# Altium PCB DM1095_R0M0E1.PcbDoc (part 3 of 3)
Units mm, origin at the board's own origin, x right, y up, seen from the top; angles counter-clockwise.
Board outline 80 x 30 mm, 4 copper layers (Top Copper, Signal Layer 1, Layer 1, Bottom Layer), stack 1.602 mm thick; 162 components, 129 nets, 587 pads, 621 vias.
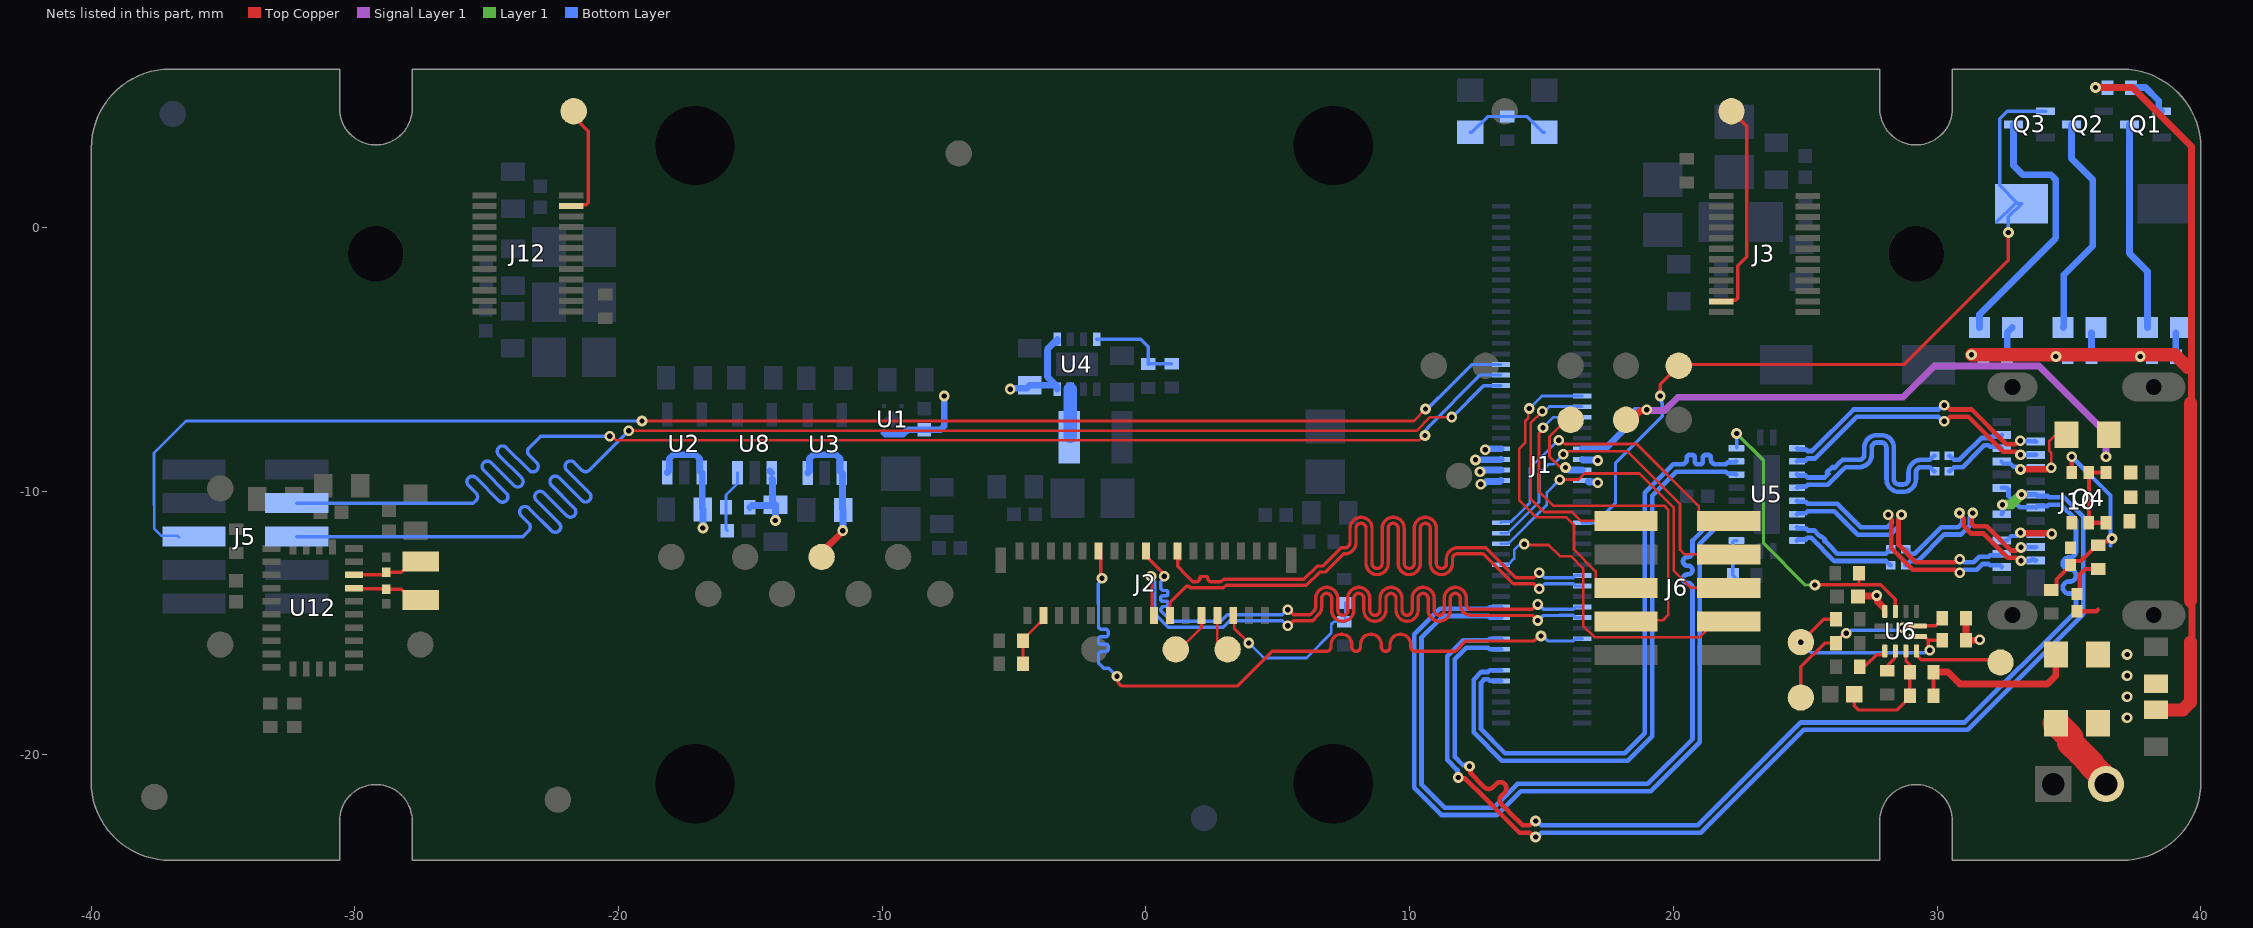
[diagram p5: the nets of this part, all layers, seen from the top]

## Via types
v1: diameter 0.406, hole 0.203, Top Copper to Bottom Layer, tented both sides, 577 vias
v2: diameter 0.406, hole 0.203, Top Copper to Bottom Layer, 28 vias
v3: diameter 0.508, hole 0.254, Top Copper to Bottom Layer, 16 vias

## Nets (pads, with @x,y where several pads share a name; then routed paths per layer and width w, separated by ;. In a path a pad name is that pad's centre, name@x,y a point inside that pad or via, vN(x,y) a via of type N, cw(c..) or ccw(c..) an arc to the next point about the centre after c; other vN are vias at no path point) (continued)
MIPI_RX4_D1_P: J1.17 J2.23 | length 27.7
  Top Copper w0.127: J2.23@-1.8,-12.206 -1.721,-12.285 -1.721,-13.254 v1(-1.667,-13.307) ; v1(-1.102,-17.026) -1.049,-17.079 -1.049,-17.275 -0.929,-17.395 3.459,-17.395 4.778,-16.075 6.673,-16.075 6.851,-16.075 ccw(c6.851,-15.91) 7.016,-15.91 7.016,-15.821 cw(c7.41,-15.821) 7.804,-15.821 7.804,-15.914 ccw(c7.969,-15.914) 8.134,-15.914 8.134,-15.821 cw(c8.527,-15.821) 8.921,-15.821 8.921,-15.914 ccw(c9.086,-15.914) 9.251,-15.914 9.251,-15.821 cw(c9.645,-15.821) 10.039,-15.821 10.039,-15.91 ccw(c10.204,-15.91) 10.204,-16.075 11.734,-16.075 11.775,-16.034 12.123,-15.686 14.712,-15.686 14.902,-15.496 v1(14.977,-15.496)
  Bottom Layer w0.127: v1(-1.667,-13.307) -1.667,-13.382 -1.806,-13.521 -1.806,-14.273 -1.803,-14.276 -1.803,-14.643 -1.803,-15.117 ccw(c-1.676,-15.117) -1.676,-15.244 -1.521,-15.244 cw(c-1.521,-15.328) -1.437,-15.328 -1.437,-15.44 cw(c-1.521,-15.44) -1.521,-15.524 -1.719,-15.524 ccw(c-1.719,-15.608) -1.803,-15.608 -1.803,-15.719 ccw(c-1.719,-15.719) -1.719,-15.803 -1.521,-15.803 cw(c-1.521,-15.887) -1.437,-15.887 -1.437,-15.999 cw(c-1.521,-15.999) -1.521,-16.083 -1.676,-16.083 ccw(c-1.676,-16.21) -1.803,-16.21 -1.803,-16.521 -1.771,-16.552 -1.603,-16.721 -1.406,-16.721 v1(-1.102,-17.026) ; v1(14.977,-15.496) 15.052,-15.496 15.242,-15.686 16.194,-15.686 16.28,-15.6 J1.17@16.54,-15.6
MIPI_RX5_D0_N: J1.21 J2.16 | length 27.5
  Top Copper w0.127: v1(0.188,-13.228) 0.241,-13.282 0.241,-14.522 J2.16@0.314,-14.594 ; v1(5.379,-15.107) 5.403,-15.107 5.593,-14.918 6.063,-14.918 6.318,-14.918 6.537,-14.699 ccw(c6.241,-14.402) 6.66,-14.402 6.66,-14.072 cw(c6.85,-14.072) 7.041,-14.072 7.041,-14.52 ccw(c7.46,-14.52) 7.879,-14.52 7.879,-14.072 cw(c8.07,-14.072) 8.26,-14.072 8.26,-14.52 ccw(c8.679,-14.52) 9.098,-14.52 9.098,-14.072 cw(c9.289,-14.072) 9.479,-14.072 9.479,-14.52 ccw(c9.898,-14.52) 10.318,-14.52 10.318,-14.072 cw(c10.508,-14.072) 10.699,-14.072 10.699,-14.52 ccw(c11.118,-14.52) 11.537,-14.52 11.537,-14.072 cw(c11.727,-14.072) 11.918,-14.072 11.918,-14.298 ccw(c12.337,-14.298) 12.337,-14.718 13.169,-14.718 14.644,-14.718 14.833,-14.907 v1(14.858,-14.907)
  Bottom Layer w0.127: v1(0.188,-13.228) 0.188,-13.303 0.327,-13.442 0.327,-14.641 0.525,-14.84 0.85,-15.164 2.936,-15.164 3.182,-14.918 5.165,-14.918 5.354,-15.107 v1(5.379,-15.107) ; v1(14.858,-14.907) 14.882,-14.907 15.072,-14.718 15.678,-14.718 15.681,-14.714 16.194,-14.714 16.28,-14.8 J1.21@16.54,-14.8
MIPI_RX5_D0_P: J1.23 J2.17 | length 27.4
  Top Copper w0.127: J2.17@0.068,-12.524 0.641,-13.097 0.641,-13.175 v1(0.694,-13.228) ; v1(5.379,-14.499) 5.403,-14.499 5.593,-14.689 6.063,-14.689 6.223,-14.689 6.375,-14.538 ccw(c6.241,-14.402) 6.431,-14.402 6.431,-14.072 cw(c6.85,-14.072) 7.27,-14.072 7.27,-14.52 ccw(c7.46,-14.52) 7.651,-14.52 7.651,-14.072 cw(c8.07,-14.072) 8.489,-14.072 8.489,-14.52 ccw(c8.679,-14.52) 8.87,-14.52 8.87,-14.072 cw(c9.289,-14.072) 9.708,-14.072 9.708,-14.52 ccw(c9.898,-14.52) 10.089,-14.52 10.089,-14.072 cw(c10.508,-14.072) 10.927,-14.072 10.927,-14.52 ccw(c11.118,-14.52) 11.308,-14.52 11.308,-14.072 cw(c11.727,-14.072) 12.146,-14.072 12.146,-14.298 ccw(c12.337,-14.298) 12.337,-14.489 13.169,-14.489 14.644,-14.489 14.833,-14.299 v1(14.858,-14.299)
  Bottom Layer w0.127: v1(0.694,-13.228) 0.694,-13.303 0.669,-13.328 0.555,-13.442 0.555,-13.644 ccw(c0.682,-13.644) 0.682,-13.771 0.767,-13.771 cw(c0.767,-13.832) 0.828,-13.832 0.828,-13.913 cw(c0.767,-13.913) 0.767,-13.974 0.616,-13.974 ccw(c0.616,-14.035) 0.555,-14.035 0.555,-14.117 ccw(c0.616,-14.117) 0.616,-14.178 0.767,-14.178 cw(c0.767,-14.239) 0.828,-14.239 0.828,-14.32 cw(c0.767,-14.32) 0.767,-14.381 0.682,-14.381 ccw(c0.682,-14.508) 0.555,-14.508 0.555,-14.546 0.687,-14.678 0.944,-14.936 2.841,-14.936 3.087,-14.689 5.165,-14.689 5.354,-14.499 v1(5.379,-14.499) ; v1(14.858,-14.299) 14.882,-14.299 15.072,-14.489 15.583,-14.489 15.586,-14.486 16.194,-14.486 16.28,-14.4 J1.23@16.54,-14.4
MIPI_RX5_D1_N: J1.27 J2.14 | length 27.4
  Top Copper w0.127: J2.14@0.907,-14.725 0.907,-14.236 1.527,-13.616 1.633,-13.616 1.682,-13.666 2.937,-13.666 3.035,-13.568 6.084,-13.568 6.579,-13.073 6.803,-13.073 7.031,-12.844 7.496,-12.379 7.543,-12.379 ccw(c7.543,-11.96) 7.962,-11.96 7.962,-11.413 cw(c8.152,-11.413) 8.343,-11.413 8.343,-12.746 ccw(c8.762,-12.746) 9.181,-12.746 9.181,-11.413 cw(c9.372,-11.413) 9.562,-11.413 9.562,-12.746 ccw(c9.981,-12.746) 10.4,-12.746 10.4,-11.413 cw(c10.591,-11.413) 10.781,-11.413 10.781,-12.746 ccw(c11.2,-12.746) 11.62,-12.746 11.62,-12.57 cw(c11.81,-12.57) 11.81,-12.379 11.988,-12.379 12.796,-12.379 13.934,-13.517 14.7,-13.517 14.889,-13.707 v1(14.914,-13.707)
  Bottom Layer w0.127: v1(14.914,-13.707) 14.938,-13.707 15.128,-13.517 15.563,-13.517 15.565,-13.514 16.194,-13.514 16.28,-13.6 J1.27@16.54,-13.6
MIPI_RX5_D1_P: J1.29 J2.13 | length 27.5
  Top Copper w0.127: J2.13@1.218,-12.402 1.2,-12.42 1.2,-12.86 1.531,-13.192 1.777,-13.438 1.912,-13.438 ccw(c1.912,-13.311) 2.039,-13.311 2.039,-13.304 cw(c2.1,-13.304) 2.1,-13.243 2.283,-13.243 cw(c2.283,-13.304) 2.344,-13.304 2.344,-13.311 ccw(c2.471,-13.311) 2.471,-13.438 2.839,-13.438 2.842,-13.438 2.94,-13.339 5.99,-13.339 6.485,-12.844 6.708,-12.844 6.803,-12.75 6.87,-12.683 7.031,-12.521 7.401,-12.151 7.543,-12.151 ccw(c7.543,-11.96) 7.733,-11.96 7.733,-11.413 cw(c8.152,-11.413) 8.572,-11.413 8.572,-12.746 ccw(c8.762,-12.746) 8.953,-12.746 8.953,-11.413 cw(c9.372,-11.413) 9.791,-11.413 9.791,-12.746 ccw(c9.981,-12.746) 10.172,-12.746 10.172,-11.413 cw(c10.591,-11.413) 11.01,-11.413 11.01,-12.746 ccw(c11.2,-12.746) 11.391,-12.746 11.391,-12.57 cw(c11.81,-12.57) 11.81,-12.151 11.988,-12.151 12.891,-12.151 14.028,-13.289 14.7,-13.289 14.889,-13.099 v1(14.914,-13.099) ; J2.13@1.286,-12.594 J2.13@1.286,-12.402
  Bottom Layer w0.127: v1(14.914,-13.099) 14.938,-13.099 15.128,-13.289 15.468,-13.289 15.471,-13.286 16.194,-13.286 16.28,-13.2 J1.29@16.54,-13.2
MODULE_nRST: B1.2 J1.39 Q3.1 TP2.1 | length 31
  Top Copper w0.127: v1(19.502,-6.398) 19.502,-5.948 20.026,-5.424 20.4,-5.424 20.4,-5.2 28.747,-5.2 32.7,-1.247 v1(32.7,-0.2)
  Bottom Layer w0.127: J1.39@16.54,-11.2 17.07,-11.2 17.8,-10.47 17.8,-8.942 19.578,-7.164 19.578,-6.672 19.555,-6.649 19.555,-6.452 v1(19.502,-6.398) ; B1.2@32.263,0.213 32.95,0.9 B1.2@33.02,0.9 ; v1(32.7,-0.2) 32.7,0.4 B1.2@33.2,0.9 33.058,0.9 32.372,1.587 32.372,4.118 32.654,4.4 Q3.1@34.11,4.4
NetC37_1: C37.1 Q4.3 R3.1 R10.2 | length 7.8
  Top Copper w0.158: R10.2@34.397,-13.724 34.518,-13.603 34.518,-13.362 35.05,-12.83 35.05,-12.79 35.181,-12.659 35.441,-12.659 35.592,-12.508 35.605,-12.508 35.97,-12.142 36.07,-12.142 36.305,-11.908 36.456,-11.908 36.562,-11.802 v1(36.629,-11.802) ; Q4.3@35.1,-9.3 v1(35.1,-8.7)
  Bottom Layer w0.158: v1(35.1,-8.7) 36.576,-10.176 36.576,-12.07
NetC41_1: C41.1 R3.2 | length 1.7
  Top Copper w0.154: C41.1@35.3,-13.9 35.404,-13.796 35.404,-13.166 35.617,-12.954 35.834,-12.954 36.088,-12.954 R3.2@36.212,-12.83
NetC49_2: C49.2 R37.1 U8.3 | length 2.4
  Bottom Layer w0.102: C49.2@-15.874,-11.505 -15.924,-11.455 R37.1@-15.924,-10.624 -15.924,-10.153 -15.489,-9.718 U8.3@-15.489,-9.31
NetD2_1: D2.1 Q1.3 | length 8
  Bottom Layer w0.254: Q1.3@37.29,3.9 37.29,-0.99 37.975,-1.675 D2.1@37.975,-3.8
NetD2_2: D2.2 R32.1 | length 0.9
  Bottom Layer w0.254: R32.1@39.05,-4.9 D2.2@39.05,-4
NetD3_1: D3.1 Q2.3 | length 8.5
  Bottom Layer w0.254: D3.1@34.775,-3.8 34.8,-3.775 34.8,-1.8 35.9,-0.7 35.9,1.8 35.09,2.61 Q2.3@35.09,3.9
NetD3_2: D3.2 R33.1 | length 0.9
  Bottom Layer w0.254: R33.1@35.85,-4.9 D3.2@35.85,-4
NetD4_1: D4.1 Q3.3 | length 10.2
  Bottom Layer w0.254: D4.1@31.6,-3.8 31.6,-3.3 34.5,-0.4 34.5,1.8 34.305,1.995 33.241,1.995 32.89,2.346 Q3.3@32.89,3.9
NetD4_2: D4.2 R34.1 | length 1.2
  Bottom Layer w0.254: R34.1@32.65,-4.9 32.65,-4 D4.2@32.85,-3.8
NetJ2_6: J2.6 R27.1 R28.1 | length 6.6
  Top Copper w0.105: J2.6@3.256,-14.708 3.345,-14.797 3.345,-15.207 v1(3.898,-15.761)
  Bottom Layer w0.102: v1(3.898,-15.761) 4.469,-16.331 6.084,-16.331 7.024,-15.391 7.024,-15.051 7.113,-14.962 R28.1@7.557,-14.962 ; R28.1@7.56,-14.872 R27.1@7.56,-14.24
NetJ2_30: J2.30 R22.2 R29.1 | length 2.2
  Top Copper w0.102: R29.1@-4.665,-16.551 R22.2@-4.665,-15.676 -4.665,-15.626 -4.044,-15.005 -3.992,-15.005 -3.874,-14.888 J2.30@-3.874,-14.726
NetJ8_P2: J8.P2 R23.1 | length 3.1
  Top Copper w1: R23.1@34.5,-18.8 35.05,-19.35 35.05,-19.549 35.401,-19.9 35.404,-19.9 35.833,-20.33 35.833,-20.381 36.216,-20.764 36.216,-20.829 36.4,-21.013 J8.P2@36.4,-21.113
NetL1_1: L1.1 U4.7 | length 1.8
  Bottom Layer w0.5: L1.1@-2.87,-7.924 U4.7@-2.87,-6.142
NetQ1_1: Q1.1 R31.1 | length 1.8
  Bottom Layer w0.254: R31.1@37.35,5.3 37.9,5.3 38.4,4.8 38.4,4.423 38.423,4.4 Q1.1@38.51,4.4
NetR4_2: R4.2 R24.1 R26.1 | length 3.3
  Bottom Layer w0.127: R26.1@12.3,3.6 12.35,3.6 12.95,4.2 13.2,4.2 R4.2@13.7,4.2 14.45,4.2 15.05,3.6 R24.1@15.1,3.6
NetR7_1: R7.1 R8.2 U4.4 | length 3.6
  Bottom Layer w0.127: U4.4@-1.87,-4.242 -0.196,-4.242 0.092,-4.53 R7.1@0.092,-5.187 0.106,-5.173 R8.2@0.967,-5.173
NetR12_1: R12.1 U5.2 | length 1.7
  Bottom Layer w0.127: R12.1@22.4,-13.35 R12.1@22.25,-13.2 22.25,-11.937 22.312,-11.875 U5.2@22.385,-11.875 U5.2@22.4,-11.891
NetR13_1: R13.1 U5.9 U6.11 | length 11.9
  Top Copper w0.127: v1(25.362,-13.564) 25.377,-13.549 27.034,-13.549 ; R13.1@27.034,-13.111 27.034,-13.549 ; U6.11@28.415,-14.565 28.415,-14.1 27.864,-13.549 27.034,-13.549
  Layer 1 w0.127: v1(22.393,-7.82) 23.415,-8.842 23.415,-11.985 24.993,-13.564 v1(25.362,-13.564)
  Bottom Layer w0.127: v1(22.393,-7.82) 22.393,-8.344 U5.9@22.404,-8.355
OUT1: R18.1 R20.1 TP23.1 U6.7 | length 8.2
  Top Copper w0.127: v1(24.829,-15.729) 25.694,-14.865 R18.1@26.165,-14.865 ; U6.7@29.265,-15.515 29.515,-15.515 29.654,-15.654 ; v1(29.716,-16.033) 29.663,-15.98 29.663,-15.663 29.654,-15.654 ; R20.1@30.189,-15.654 29.716,-15.654 29.7,-15.654 29.654,-15.654
  Bottom Layer w0.127: v1(24.829,-15.729) 25.231,-16.131 29.542,-16.131 29.641,-16.033 v1(29.716,-16.033)
OUT2: R19.1 R21.1 TP22.1 U6.8 | length 7.3
  Top Copper w0.127: TP22.1@24.829,-17.829 24.829,-16.668 25.732,-15.765 R19.1@26.165,-15.765 26.165,-15.715 26.483,-15.396 v1(26.551,-15.396) ; v1(28.698,-15.182) 28.732,-15.148 29.231,-15.148 U6.8@29.265,-15.115 29.94,-15.115 30.189,-14.865 R21.1@30.189,-14.815
  Bottom Layer w0.127: v1(26.551,-15.396) 26.627,-15.396 26.74,-15.284 28.521,-15.284 28.622,-15.182 v1(28.698,-15.182)
RXB_N: J10.B10 U5.13 | length 10.5
  Top Copper w0.178: v1(30.267,-7.353) 30.323,-7.353 30.488,-7.188 31.187,-7.188 32.508,-8.509 32.977,-8.509 33.096,-8.629 v1(33.158,-8.629)
  Bottom Layer w0.178: U5.13@24.685,-8.875 24.721,-8.839 25.008,-8.839 25.082,-8.765 25.367,-8.765 26.944,-7.188 30.046,-7.188 30.21,-7.353 v1(30.267,-7.353) ; v1(33.158,-8.629) J10.B10@33.742,-8.629
RXB_P: J10.B11 U5.12 | length 10.5
  Top Copper w0.178: v1(30.267,-6.745) 30.323,-6.745 30.488,-6.909 31.303,-6.909 32.624,-8.23 32.957,-8.23 33.088,-8.099 v1(33.15,-8.099)
  Bottom Layer w0.178: U5.12@24.685,-8.375 24.721,-8.411 25.008,-8.411 25.082,-8.486 25.252,-8.486 26.828,-6.909 30.046,-6.909 30.21,-6.745 v1(30.267,-6.745) ; v1(33.15,-8.099) 33.166,-8.114 33.727,-8.114 J10.B11@33.742,-8.129
RXC_N: J10.A10 U5.17 | length 10.5
  Top Copper w0.178: v1(28.648,-10.904) 28.648,-10.966 28.535,-11.08 28.535,-12.044 29.192,-12.701 30.677,-12.701 30.79,-12.588 v1(30.852,-12.588)
  Bottom Layer w0.178: U5.17@24.685,-10.875 24.721,-10.839 25.008,-10.839 25.082,-10.765 26.095,-10.765 26.983,-11.653 28.224,-11.653 28.535,-11.343 28.535,-11.08 28.648,-10.966 v1(28.648,-10.904) ; v1(30.852,-12.588) 30.914,-12.588 31.027,-12.701 31.378,-12.701 31.59,-12.489 31.955,-12.489 32.004,-12.44 32.381,-12.44 J10.A10@32.442,-12.379
RXC_P: J10.A11 U5.16 | length 10.5
  Top Copper w0.178: v1(28.142,-10.904) 28.142,-10.966 28.255,-11.08 28.255,-12.16 29.076,-12.98 30.677,-12.98 30.79,-13.094 v1(30.852,-13.094)
  Bottom Layer w0.178: U5.16@24.685,-10.375 24.721,-10.411 25.008,-10.411 25.082,-10.486 26.211,-10.486 27.099,-11.374 28.109,-11.374 28.255,-11.227 28.255,-11.08 28.142,-10.966 v1(28.142,-10.904) ; v1(30.852,-13.094) 30.914,-13.094 31.027,-12.98 31.494,-12.98 31.706,-12.769 31.955,-12.769 32.004,-12.818 32.381,-12.818 J10.A11@32.442,-12.879
SD_HST0_CD: J1.59 J6.7 | length 15
  Top Copper w0.102: v1(15.054,-7.599) 15.054,-7.657 14.9,-7.811 14.9,-10.015 15.439,-10.554 19.65,-10.554 19.8,-10.704 19.8,-14.7 19.6,-14.9 18.24,-14.9 J6.7@18.2,-14.94
  Bottom Layer w0.102: v1(15.054,-7.599) 15.453,-7.2 J1.59@16.54,-7.2
SD_HST0_CLK: J1.61 J6.1 | length 9.1
  Top Copper w0.102: v1(15.029,-6.98) 15.026,-6.98 14.585,-7.421 14.585,-10.293 15.088,-10.796 16.158,-10.796 16.492,-11.13 J6.1@18.2,-11.13
  Bottom Layer w0.102: v1(15.029,-6.98) 15.108,-6.98 15.295,-6.794 16.534,-6.794 J1.61@16.54,-6.8
SD_HST0_CMD: J1.63 J6.5 | length 12
  Top Copper w0.102: v1(14.535,-6.872) 14.493,-6.913 14.493,-7.227 14.383,-7.338 14.383,-8.167 14.155,-8.395 14.155,-10.355 14.8,-11 15.94,-11 16.228,-11.288 16.228,-12.222 17.051,-13.044 17.051,-13.341 17.38,-13.67 J6.5@18.2,-13.67
  Bottom Layer w0.102: v1(14.535,-6.872) 15.007,-6.4 J1.63@16.54,-6.4
SD_HST0_D0: J1.40 J6.2 | length 12.1
  Top Copper w0.102: v1(15.654,-8.077) 15.736,-8.077 15.876,-8.217 18.608,-8.217 20.954,-10.563 20.954,-10.801 21.283,-11.13 J6.2@22.1,-11.13
  Bottom Layer w0.102: J1.40@13.46,-11.2 13.499,-11.161 13.849,-11.161 14.223,-10.787 14.547,-10.463 14.547,-9.153 15.623,-8.077 v1(15.654,-8.077)
SD_HST0_D1: J1.38 J6.4 | length 13.2
  Top Copper w0.102: v1(15.816,-8.608) 15.899,-8.608 16.017,-8.49 16.987,-8.49 18.238,-8.49 20.246,-10.497 20.246,-10.856 20.247,-10.857 20.247,-12.225 20.422,-12.4 J6.4@22.1,-12.4
  Bottom Layer w0.102: J1.38@13.46,-11.6 13.72,-11.6 14.9,-10.42 14.902,-10.418 14.902,-9.341 15.256,-8.987 15.453,-8.987 15.816,-8.624 v1(15.816,-8.608)
SD_HST0_D2: J1.36 J6.6 | length 13.2
  Top Copper w0.102: v1(15.684,-9.567) 15.687,-9.564 16.402,-9.564 16.633,-9.333 18.713,-9.333 20.005,-10.625 20.005,-13.005 20.67,-13.67 J6.6@22.1,-13.67
  Bottom Layer w0.102: J1.36@13.46,-12 13.72,-12 15.2,-10.52 15.2,-10.057 15.684,-9.573 v1(15.684,-9.567)
SD_HST0_D3: J1.32 J6.8 | length 12.2
  Top Copper w0.102: v1(14.343,-12.012) 14.374,-12.043 15.267,-12.043 15.692,-12.469 16.113,-12.469 16.576,-12.932 16.576,-15.109 17.007,-15.54 20.998,-15.54 21.218,-15.32 21.218,-15.269 21.547,-14.94 J6.8@22.1,-14.94
  Bottom Layer w0.102: J1.32@13.46,-12.8 13.72,-12.8 13.961,-12.559 13.961,-12.239 v1@14.3,-11.9
SPI_CS_0: J1.70 J5.5 | length 56.4
  Top Copper w0.102: v1(-19.109,-7.344) 10.154,-7.344 10.6,-6.898 v1(10.6,-6.889)
  Bottom Layer w0.102: -37.611,-10.531 -37.611,-8.561 -36.394,-7.344 v1(-19.109,-7.344) ; -37.605,-10.531 -37.605,-11.418 -37.325,-11.698 -36.718,-11.698 J5.5@-36.657,-11.758
  Bottom Layer w0.127: v1(10.6,-6.889) 10.674,-6.889 11.582,-5.981 12.362,-5.2 J1.70@13.46,-5.2
SPI_SIO2: J1.66 J5.6 | length 58
  Top Copper w0.102: v1(-19.615,-7.717) 10.252,-7.717 10.769,-7.2 11.593,-7.2 v1(11.597,-7.196)
  Bottom Layer w0.127: J5.6@-32.2,-11.73 -23.628,-11.73 -23.448,-11.551 -23.404,-11.506 ccw(c-23.547,-11.362) -23.404,-11.219 -23.691,-10.931 cw(c-23.547,-10.788) -23.691,-10.644 cw(c-23.547,-10.788) -23.404,-10.644 -22.541,-11.506 ccw(c-22.398,-11.362) -22.254,-11.506 ccw(c-22.398,-11.362) -22.254,-11.219 -23.116,-10.356 cw(c-22.973,-10.213) -23.116,-10.069 cw(c-22.973,-10.213) -22.829,-10.069 -21.967,-10.931 ccw(c-21.823,-10.788) -21.679,-10.931 ccw(c-21.823,-10.788) -21.679,-10.644 -22.541,-9.782 cw(c-22.398,-9.638) -22.541,-9.494 cw(c-22.398,-9.638) -22.254,-9.494 -21.392,-10.356 ccw(c-21.248,-10.213) -21.105,-10.356 ccw(c-21.248,-10.213) -21.105,-10.069 -21.967,-9.207 cw(c-21.823,-9.063) -21.967,-8.92 cw(c-21.823,-9.063) -21.679,-8.92 -21.392,-9.207 ccw(c-21.248,-9.063) -21.105,-9.207 -20.825,-8.928 v1(-19.615,-7.717) ; v1(11.597,-7.196) 11.604,-7.196 12.797,-6.003 13.457,-6.003 J1.66@13.46,-6
SPI_SIO3: J1.68 J5.8 | length 56.4
  Top Copper w0.102: v1(-20.336,-7.92) -20.254,-7.92 -20.102,-8.072 10.364,-8.072 10.542,-7.894 v1(10.576,-7.894)
  Bottom Layer w0.127: J5.8@-32.2,-10.46 -25.5,-10.46 -25.447,-10.408 -25.402,-10.363 ccw(c-25.546,-10.219) -25.402,-10.076 -25.69,-9.788 cw(c-25.546,-9.645) -25.69,-9.501 cw(c-25.546,-9.645) -25.402,-9.501 -24.54,-10.363 ccw(c-24.397,-10.219) -24.253,-10.363 ccw(c-24.397,-10.219) -24.253,-10.076 -25.115,-9.213 cw(c-24.971,-9.07) -25.115,-8.926 cw(c-24.971,-9.07) -24.828,-8.926 -23.966,-9.788 ccw(c-23.822,-9.645) -23.678,-9.788 ccw(c-23.822,-9.645) -23.678,-9.501 -24.54,-8.639 cw(c-24.397,-8.495) -24.54,-8.351 cw(c-24.397,-8.495) -24.253,-8.351 -23.391,-9.213 ccw(c-23.247,-9.07) -23.104,-9.213 ccw(c-23.247,-9.07) -23.104,-8.926 -23.391,-8.639 cw(c-23.247,-8.495) -23.391,-8.351 -22.974,-7.935 -22.959,-7.92 v1(-20.336,-7.92) ; v1(10.576,-7.894) 10.576,-7.724 10.677,-7.624 10.677,-7.598 12.674,-5.6 J1.68@13.46,-5.6
STRB2: J12.14 TP18.1 | length 4.3
  Top Copper w0.127: J12.14@-21.797,0.813 -21.758,0.852 -21.224,0.852 -21.149,0.926 -21.149,3.64 -21.7,4.191 TP18.1@-21.7,4.3
STROBE1: J3.14 TP30.1 | length 8.1
  Top Copper w0.127: J3.14@21.81,-2.813 21.851,-2.771 22.359,-2.771 22.433,-2.697 22.433,-1.467 22.774,-1.126 22.774,3.826 TP30.1@22.2,4.4
STROBE3: J2.10 TP27.1 | length 1.9
  Top Copper w0.102: TP27.1@1.052,-16.237 2.107,-15.182 J2.10@2.107,-14.731
TXB1_N: C32.2 U5.15 | length 8.5
  Bottom Layer w0.178: U5.15@24.685,-9.875 24.721,-9.839 25.008,-9.839 25.082,-9.765 25.853,-9.765 26.44,-9.178 26.524,-9.094 27.041,-9.094 ccw(c27.041,-8.619) 27.516,-8.619 27.516,-8.356 cw(c27.712,-8.356) 27.712,-8.16 27.879,-8.16 cw(c27.879,-8.356) 28.075,-8.356 28.075,-9.554 ccw(c28.55,-9.554) 28.55,-10.029 28.717,-10.029 ccw(c28.717,-9.554) 29.192,-9.554 29.192,-9.29 cw(c29.388,-9.29) 29.388,-9.094 29.617,-9.094 29.719,-9.094 29.878,-9.253 C32.2@29.898,-9.253
TXB1_P: C31.2 U5.14 | length 8.6
  Bottom Layer w0.178: U5.14@24.685,-9.375 24.721,-9.411 25.008,-9.411 25.082,-9.486 25.737,-9.486 25.813,-9.41 25.876,-9.347 25.819,-9.29 26.035,-9.075 26.091,-9.131 26.307,-8.916 26.328,-8.894 26.391,-8.832 ; 26.408,-8.815 26.44,-8.815 27.041,-8.815 ccw(c27.041,-8.619) 27.237,-8.619 27.237,-8.356 cw(c27.712,-8.356) 27.712,-7.881 27.879,-7.881 cw(c27.879,-8.356) 28.354,-8.356 28.354,-9.554 ccw(c28.55,-9.554) 28.55,-9.749 28.717,-9.749 ccw(c28.717,-9.554) 28.913,-9.554 28.913,-9.29 cw(c29.388,-9.29) 29.388,-8.815 29.617,-8.815 29.719,-8.815 29.878,-8.657 C31.2@29.898,-8.657
TXB_N: C32.1 J10.A3 | length 3
  Bottom Layer w0.178: C32.1@30.458,-9.253 C32.1@30.476,-9.253 ; J10.A3@32.442,-8.379 32.381,-8.318 32.004,-8.318 31.955,-8.269 31.785,-8.269 31.543,-8.511 30.962,-9.093 ; C32.1@30.476,-9.253 30.636,-9.093 30.962,-9.093 ; C32.1@30.476,-9.253 30.478,-9.253 30.636,-9.094 30.96,-9.094 30.962,-9.093
TXB_P: C31.1 J10.A2 | length 2.4
  Bottom Layer w0.178: C31.1@30.458,-8.657 30.478,-8.657 30.636,-8.815 30.844,-8.815 30.862,-8.798 31.013,-8.647 31.591,-8.068 31.67,-7.989 31.955,-7.989 32.004,-7.94 32.381,-7.94 J10.A2@32.442,-7.879
TXC1_N: C34.2 U5.19 | length 4
  Bottom Layer w0.178: U5.19@24.685,-11.875 24.721,-11.839 25.008,-11.839 25.073,-11.774 25.22,-11.774 26.1,-12.654 28.056,-12.654 28.219,-12.817 C34.2@28.239,-12.817
TXC1_P: C33.2 U5.18 | length 4.1
  Bottom Layer w0.178: U5.18@24.685,-11.375 24.721,-11.411 25.008,-11.411 25.092,-11.495 25.336,-11.495 25.514,-11.673 25.577,-11.736 25.603,-11.71 25.747,-11.854 25.721,-11.88 25.841,-12 25.904,-12.063 26.216,-12.375 28.056,-12.375 28.219,-12.212 C33.2@28.239,-12.212
TXC_N: C34.1 J10.B3 | length 6.9
  Top Copper w0.178: v1(31.352,-10.831) 31.308,-10.874 31.308,-11.235 31.407,-11.334 31.874,-11.334 32.312,-11.772 32.399,-11.86 32.791,-12.252 33,-12.252 33.114,-12.137 v1(33.176,-12.137)
  Bottom Layer w0.178: C34.1@28.799,-12.817 28.819,-12.817 28.983,-12.654 29.258,-12.654 30.264,-11.648 30.913,-11.648 31.238,-11.323 31.238,-11.006 31.366,-10.878 v1@31.366,-10.817 ; v1(33.176,-12.137) 33.18,-12.133 33.738,-12.133 J10.B3@33.742,-12.129
TXC_P: C33.1 J10.B2 | length 7.1
  Top Copper w0.178: v1(30.845,-10.831) 30.845,-10.892 31.002,-11.049 31.002,-11.324 31.291,-11.613 31.294,-11.613 31.758,-11.613 32.675,-12.531 33,-12.531 33.114,-12.645 v1(33.176,-12.645)
  Bottom Layer w0.178: C33.1@28.799,-12.212 28.819,-12.212 28.983,-12.375 29.142,-12.375 30.149,-11.368 30.798,-11.368 30.959,-11.207 30.959,-11.006 30.845,-10.892 v1(30.845,-10.831) ; v1(33.176,-12.645) 33.532,-12.645 33.617,-12.561 33.693,-12.637 33.734,-12.637 J10.B2@33.742,-12.629
USB_CM: R14.1 U6.3 | length 1.3
  Top Copper w0.127: R14.1@27.065,-16.665 27.119,-16.61 27.29,-16.61 27.699,-16.201 27.978,-16.201 28.015,-16.165 U6.3@28.015,-16.065
USB_D_N: J1.18 J10.A7 J10.B7 | length 42.9
  Top Copper w0.178: v1(11.835,-20.862) 11.875,-20.902 12.107,-20.902 12.823,-21.618 13.593,-22.388 14.161,-22.956 14.551,-22.956 14.715,-23.12 v1(14.771,-23.12)
  Layer 1 w0.381: v1(32.475,-10.515) 32.479,-10.511 32.809,-10.511 33.19,-10.129 v1(33.197,-10.129)
  Bottom Layer w0.178: v1(11.835,-20.862) 11.808,-20.835 11.808,-20.581 11.424,-20.197 11.424,-16.263 12.026,-15.66 12.983,-15.66 13.042,-15.601 J1.18@13.46,-15.6 J1.18@13.46,-15.6 ; v1(14.771,-23.12) 14.828,-23.12 14.992,-22.956 21.039,-22.956 24.94,-19.055 31.158,-19.055 35.543,-14.671 35.543,-14.206 35.543,-10.975 34.807,-10.239 34.23,-10.239 34.181,-10.19 33.803,-10.19 J10.B7@33.742,-10.129 v1(33.197,-10.129) ; J10.A7@32.442,-10.879 32.475,-10.847 v1(32.475,-10.515)
USB_D_P: J1.16 J10.A6 J10.B6 | length 43
  Top Copper w0.178: v1(12.265,-20.432) 12.305,-20.472 12.305,-20.704 12.768,-21.167 12.831,-21.23 ccw(c12.992,-21.068) 13.154,-21.23 13.275,-21.109 cw(c13.437,-21.27) 13.599,-21.109 cw(c13.437,-21.27) 13.599,-21.432 13.477,-21.553 ccw(c13.639,-21.715) 13.477,-21.877 13.728,-22.128 13.791,-22.191 14.277,-22.677 14.551,-22.677 14.715,-22.512 v1(14.771,-22.512)
  Bottom Layer w0.178: v1(12.265,-20.432) 12.221,-20.388 12.01,-20.388 11.703,-20.081 11.703,-16.379 12.142,-15.94 12.983,-15.94 13.042,-15.999 J1.16@13.46,-16 J1.16@13.46,-16 ; v1(14.771,-22.512) 14.828,-22.512 14.992,-22.677 20.923,-22.677 24.824,-18.776 31.042,-18.776 35.263,-14.555 35.263,-14.206 35.263,-14.117 ccw(c35.035,-14.117) 35.035,-13.888 34.993,-13.888 cw(c34.993,-13.659) 34.993,-13.431 35.035,-13.431 ccw(c35.035,-13.202) 35.035,-12.974 34.993,-12.974 cw(c34.993,-12.745) 34.993,-12.516 35.035,-12.516 ccw(c35.035,-12.288) 35.263,-12.288 35.263,-11.891 35.263,-11.091 34.691,-10.519 34.23,-10.519 34.181,-10.568 33.803,-10.568 J10.B6@33.742,-10.629 33.725,-10.612 33.126,-10.612 32.703,-10.19 32.703,-9.94 32.642,-9.879 J10.A6@32.442,-9.879
USB_FLT: TP21.1 U6.6 | length 3.5
  Top Copper w0.127: U6.6@29.215,-16.065 29.215,-16.215 29.4,-16.4 32.3,-16.4 TP21.1@32.4,-16.5
USB_PORT: R16.1 U6.4 | length 0.9
  Top Copper w0.127: R16.1@28.115,-16.815 28.144,-16.785 28.144,-16.59 28.378,-16.356 28.378,-16.101 U6.4@28.415,-16.065
USB_RX_N: J1.12 U5.7 | length 23.5
  Bottom Layer w0.178: J1.12@13.46,-16.8 13.459,-16.801 13.042,-16.801 12.983,-16.86 12.718,-16.86 12.426,-17.152 12.426,-19.154 13.496,-20.224 18.271,-20.224 19.192,-19.303 19.192,-10.185 20.112,-9.265 21.987,-9.265 22.061,-9.339 22.349,-9.339 U5.7@22.385,-9.375
USB_RX_P: J1.10 U5.8 | length 23.6
  Bottom Layer w0.178: J1.10@13.46,-17.2 13.459,-17.199 13.042,-17.199 12.983,-17.14 12.833,-17.14 12.705,-17.268 12.705,-19.038 13.612,-19.945 18.155,-19.945 18.913,-19.187 18.913,-10.07 19.997,-8.986 20.326,-8.986 ccw(c20.326,-8.808) 20.504,-8.808 20.504,-8.738 cw(c20.611,-8.738) 20.611,-8.631 20.702,-8.631 cw(c20.702,-8.738) 20.809,-8.738 20.809,-8.879 ccw(c20.916,-8.879) 20.916,-8.986 21.007,-8.986 ccw(c21.007,-8.879) 21.114,-8.879 21.114,-8.738 cw(c21.22,-8.738) 21.22,-8.631 21.312,-8.631 cw(c21.312,-8.738) 21.418,-8.738 21.418,-8.808 ccw(c21.596,-8.808) 21.596,-8.986 21.987,-8.986 21.99,-8.982 22.061,-8.911 22.349,-8.911 U5.8@22.385,-8.875
USB_TX_N: J1.24 U5.3 | length 31.2
  Bottom Layer w0.178: J1.24@13.46,-14.4 J1.24@13.46,-14.4 13.042,-14.401 12.983,-14.46 11.146,-14.46 10.17,-15.436 10.17,-21.249 11.208,-22.287 13.298,-22.287 14.205,-21.38 19.14,-21.38 21,-19.52 21,-14.617 21,-11.992 21.727,-11.265 21.987,-11.265 22.061,-11.339 22.349,-11.339 U5.3@22.385,-11.375
USB_TX_P: J1.22 U5.4 | length 31.1
  Bottom Layer w0.178: J1.22@13.46,-14.8 J1.22@13.46,-14.8 13.042,-14.799 12.983,-14.74 11.262,-14.74 10.449,-15.552 10.449,-21.133 11.323,-22.007 13.182,-22.007 14.089,-21.1 19.024,-21.1 20.721,-19.404 20.721,-14.617 20.721,-13.668 ccw(c20.543,-13.668) 20.543,-13.49 20.528,-13.49 cw(c20.528,-13.325) 20.528,-13.16 20.556,-13.16 ccw(c20.556,-12.995) 20.556,-12.83 20.528,-12.83 cw(c20.528,-12.665) 20.528,-12.5 20.543,-12.5 ccw(c20.543,-12.322) 20.721,-12.322 20.721,-11.903 20.721,-11.877 21.612,-10.986 21.987,-10.986 22.061,-10.911 22.349,-10.911 U5.4@22.385,-10.875
VBUS: C29.2 C30.2 C41.2 J1.53 Q4.1 Q4.2 Q4.5 Q4.6 R11.2 R15.1 R17.1 R25.1 R30.2 TP8.1 | length 34.9
  Top Copper w0.158: R17.1@29.865,-17.765 R15.1@29.865,-16.915 ; C41.2@35.3,-14.56 36.04,-14.56 36.1,-14.5 ; Q4.6@36.4,-11.25 Q4.6@36.4,-11.2 Q4.5@35.75,-11.2 Q4.2@35.75,-9.3 Q4.1@36.4,-9.3
  Top Copper w0.254: TP8.1@18.2,-7.3 18.402,-7.3 18.755,-6.947 18.955,-6.947 v1(18.984,-6.918) ; R15.1@29.865,-16.865 30.405,-16.865 30.857,-17.317 34.175,-17.317 34.5,-16.993 R25.1@34.5,-16.2 ; C29.2@37.3,-9.305 C29.2@37.305,-9.3
  Signal Layer 1 w0.254: v1(18.984,-6.918) 19.014,-6.947 19.664,-6.947 20.166,-6.445 28.703,-6.445 29.888,-5.26 33.86,-5.26 36.4,-7.8 v1(36.4,-8.7)
  Bottom Layer w0.254: J1.53@16.54,-8.4 17.4,-8.4 18.191,-7.609 18.191,-7.309 18.553,-6.947 18.955,-6.947 v1(18.984,-6.918)
VBUS_DET: C40.2 R15.2 R17.2 U6.5 | length 4.6
  Top Copper w0.127: C40.2@26.85,-17.7 26.85,-18.15 27,-18.3 28.479,-18.3 28.965,-17.815 R17.2@28.965,-17.765 R15.2@28.965,-16.865 28.965,-16.59 28.815,-16.44 U6.5@28.815,-16.065
VBUSIN: C37.2 J10.A4 J10.A9 J10.B4 J10.B9 Q4.4 R30.1 | length 8.1
  Top Copper w0.102: v1(34.321,-9.12) 34.321,-8.543 34.253,-8.475 34.253,-8.102 34.426,-7.929 34.838,-7.929 R30.1@34.905,-7.862
  Top Copper w0.254: v1(33.158,-11.578) 33.182,-11.602 34.322,-11.602 v1(34.345,-11.625) ; v1(33.158,-9.18) 34.22,-9.18 34.28,-9.12 v1(34.321,-9.12) ; C37.2@35.05,-12.15 C37.2@35.075,-12.125 ; Q4.4@35.075,-11.225 Q4.4@35.1,-11.2 Q4.4@35.13,-11.17
  Bottom Layer w0.152: J10.A9@32.442,-11.879 32.642,-11.879 32.716,-11.805 32.716,-11.8 32.805,-11.711 v1@33.007,-11.711 ; v1@33.158,-11.629 J10.B4@33.742,-11.629 33.744,-11.627 34.343,-11.627 v1(34.345,-11.625)
  Bottom Layer w0.158: J10.A4@32.442,-8.879 32.513,-8.95 32.769,-8.95 32.9,-9.082 v1@33.111,-9.082 ; v1@33.158,-9.129 J10.B9@33.742,-9.129 33.747,-9.124 34.316,-9.124 v1(34.321,-9.12)
VDD_5V: C13.2 C14.2 C16.2 C17.2 C19.2 C21.2 C36.2 C38.2 J1.47 J1.48 J1.49 J1.50 J1.51 J1.52 J1.54 R20.2 R21.2 R23.2 R25.2 R31.2 R32.2 R33.2 R34.2 R37.2 TP5.1 TP7.1 U1.3 U1.4 U2.1 U2.3 U3.1 U3.3 U4.1 U4.8 U6.12 U8.1 | length 68.1
  Top Copper w0.102: v1(15.906,-9.106) 15.856,-9.056 15.656,-9.056 15.3,-8.7 15.3,-7.931 15.507,-7.723 15.931,-7.3 TP7.1@16.1,-7.3
  Top Copper w0.254: TP5.1@-12.3,-12.3 -12.259,-12.3 -11.5,-11.541 v1(-11.5,-11.5) ; C36.2@27,-14 27.019,-13.981 27.685,-13.981 v1(27.704,-13.962) 27.733,-13.991 27.733,-14.187 U6.12@27.988,-14.442 ; R20.2@31.089,-15.654 31.554,-15.654 31.566,-15.643 v1(31.617,-15.643) ; R21.2@31.089,-14.815 31.089,-15.638 R20.2@31.1,-15.648 ; v1(36,5.3) 37.4,5.3 39.639,3.061 39.639,-5.453 ; 39.496,-5.31 39.639,-5.453 ; 39.6,-15.731 39.661,-15.67 39.661,-14.399 39.6,-14.338 39.6,-14.164 ; 39.6,-6.667 39.639,-6.627 39.639,-5.453
  Top Copper w0.5: v1(31.3,-4.83) 39.016,-4.83 39.496,-5.31 ; C13.2@38.3,-18.3 39.307,-18.3 39.6,-18.007 39.6,-15.731 ; 39.6,-14.164 39.6,-6.667
  Bottom Layer w0.254: U2.3@-18.15,-9.3 -18.077,-9.227 -18.077,-8.773 -17.927,-8.623 -17.073,-8.623 -16.923,-8.773 -16.923,-9.227 U2.1@-16.85,-9.3 -16.825,-9.325 -16.825,-10.675 C19.2@-16.8,-10.7 v1(-16.8,-11.4) ; R37.2@-15.024,-10.624 -14.948,-10.548 C17.2@-14.077,-10.548 ; U8.1@-14.262,-9.237 U8.1@-14.189,-9.31 ; U8.1@-14.189,-9.535 -14.164,-9.56 C17.2@-14.164,-10.548 ; v1(-14.052,-11.116) -14.052,-10.573 C17.2@-14.077,-10.548 ; C17.2@-14.052,-10.523 C17.2@-14.077,-10.548 ; U3.3@-12.829,-9.32 -12.756,-9.247 -12.756,-8.773 -12.607,-8.624 -11.751,-8.624 -11.602,-8.773 -11.602,-9.247 U3.1@-11.529,-9.32 -11.504,-9.345 -11.504,-10.695 C38.2@-11.479,-10.72 -11.49,-10.73 -11.49,-11.49 v1(-11.5,-11.5) ; U1.4@-9.935,-7.791 -9.878,-7.848 -9.212,-7.848 -9.046,-7.681 C16.2@-8.405,-7.681 -7.797,-7.681 -7.648,-7.532 v1(-7.648,-6.397) ; v1(-5.143,-6.135) -5.113,-6.106 -4.523,-6.106 C21.2@-4.41,-5.992 U4.8@-3.41,-5.992 ; -3.733,-4.671 -3.733,-5.669 U4.8@-3.41,-5.992 ; -3.72,-4.592 -3.493,-4.365 -3.383,-4.365 -3.37,-4.352 U4.1@-3.37,-4.242 ; U4.8@-3.37,-6.142 -3.37,-6.032 U4.8@-3.41,-5.992 ; v1(12.492,-8.82) 12.502,-8.81 13.45,-8.81 J1.52@13.46,-8.8 ; v1(12.661,-9.266) 12.703,-9.266 12.768,-9.2 J1.50@13.46,-9.2 ; v1(12.696,-9.741) 12.725,-9.712 12.831,-9.712 12.906,-9.637 13.423,-9.637 J1.48@13.46,-9.6 ; v1(12.863,-8.43) 12.904,-8.43 12.941,-8.393 13.453,-8.393 J1.54@13.46,-8.4 ; v1(15.906,-9.106) 15.947,-9.106 16.041,-9.2 J1.49@16.54,-9.2 ; J1.51@16.54,-8.8 16.562,-8.822 17.112,-8.822 v1(17.133,-8.844) ; J1.47@16.763,-9.637 16.783,-9.657 17.101,-9.657 v1(17.13,-9.687) ; v1(31.3,-4.83) 31.329,-4.859 31.652,-4.859 31.652,-4.862 R34.2@31.7,-4.91 ; v1(34.5,-4.9) 34.505,-4.905 34.895,-4.905 R33.2@34.9,-4.91 ; v1(36,5.3) 36.005,5.295 36.395,5.295 R31.2@36.4,5.29 ; v1(37.7,-4.9) 37.705,-4.905 38.095,-4.905 R32.2@38.1,-4.91
  other v1: 37.2,-18.6 37.2,-17.8 37.2,-17 37.2,-16.2
XIN: C48.2 U12.27 Y1.1 | length 2.7
  Top Copper w0.127: U12.27@-30.032,-13.179 -28.896,-13.179 -28.8,-13.083 C48.2@-28.8,-13.08 -28.235,-13.08 -27.825,-12.67 Y1.1@-27.5,-12.67
XOUT: C47.2 U12.26 Y1.2 | length 2.7
  Top Copper w0.127: U12.26@-30.032,-13.679 -30.011,-13.7 -28.82,-13.7 C47.2@-28.8,-13.72 -28.235,-13.72 -27.825,-14.13 Y1.2@-27.5,-14.13
XVS: J2.8 TP20.1 | length 1.7
  Top Copper w0.102: J2.8@2.707,-14.731 2.707,-15.695 3.095,-16.083 TP20.1@3.095,-16.23
pads on no net: FID1.1 FID2.1 FID3.1 FID4.1 FID5.1 FID6.1 J2.0 J10.A8 J10.B8 U2.4 U3.4 U4.6 U5.1 U5.10 U6.9 U8.4 U12.1 U12.7 U12.8 U12.12 U12.13 U12.21 U12.22 U12.23 U12.24

## Polygon pours and split planes (outlines as drawn)
GND on Top Copper "GND_L01_P146" (solid, remove dead copper, pour order 146): -30.545,-23.948 -30.545,-22.448 cw(c-29.17,-22.448) -27.795,-22.448 -27.795,-23.944 27.855,-23.946 27.855,-22.45 cw(c29.23,-22.45) 30.605,-22.45 30.605,-23.95 37.03,-23.95 ccw(c37.03,-20.951) 40.03,-20.951 40.03,3.054 ccw(c37.026,3.049) 37.021,6.053 30.605,6.054 30.605,4.553 cw(c29.23,4.553) 27.855,4.553 27.855,6.054 -27.795,6.054 -27.795,4.554 cw(c-29.17,4.554) -30.545,4.554 -30.545,6.054 -36.962,6.054 ccw(c-36.962,3.055) -39.962,3.055 -39.97,-20.949 ccw(c-36.97,-20.949) -36.97,-23.949
VBUSIN on Top Copper "VBUSIN_L01_P128" (solid, pour order 128): 35.55,-10.95 35.55,-12.09 35.26,-12.38 34.48,-12.38 33.517,-11.417 33.517,-7.568 33.723,-7.362 34.9,-7.362 34.9,-10.3
VBUS on Top Copper "VBUS_L01_P132" (solid, remove dead copper, pour order 132): 36.055,-7.362 36.949,-7.362 37.74,-8.153 37.74,-14.085 35.125,-16.7 34.5,-16.7 34.05,-16.25 34.05,-14.952 35.806,-13.196 35.806,-7.611
VDD_5V on Top Copper "VDD_5V_L01_P142" (solid, remove dead copper, pour order 142): 36,-15.3 35.5,-15.8 35.5,-19.3 35.7,-19.5 38.5,-19.5 39.1,-18.9 39.1,-16.8 38.6,-16.3 37.8,-16.3 37.8,-15.9 37.2,-15.3
GND on Signal Layer 1 "GND_L02_P149" (solid, remove dead copper, pour order 149): -37,-24.003 -30.575,-24.002 -30.575,-22.502 cw(c-29.2,-22.502) -27.825,-22.502 -27.825,-23.999 27.825,-24 27.825,-22.505 cw(c29.2,-22.505) 30.575,-22.505 30.575,-24.005 37,-24.005 ccw(c37.001,-21.005) 40,-21.006 40,3 ccw(c36.996,2.995) 36.991,5.999 30.575,6 30.575,4.499 cw(c29.2,4.499) 27.825,4.499 27.825,6 -27.825,6 -27.825,4.5 cw(c-29.2,4.5) -30.575,4.5 -30.575,6 -36.991,6 ccw(c-36.992,3.001) -39.991,3.001 -40,-21.003 ccw(c-37,-21.003)
VDD_5V on Signal Layer 1 "VDD_5V_L02_P145" (solid, remove dead copper, pour order 145): 28.194,-13.6 29.994,-15.4 37.1,-15.4 38.1,-16.4 38.1,-18.9 37.5,-19.5 21.5,-19.5 17.1,-15.1 17.1,-13.4 14.1,-10.4 6.8,-10.4 5.372,-8.972 -8.472,-8.972 -11.3,-11.8 -18.4,-11.8 -19.3,-10.9 -19.3,-9.3 -16,-6 6.6,-6 7.6,-7 17.5,-7 21.4,-10.9 24.1,-13.6
3V3 on Signal Layer 1 "3V3_L02_P144" (solid, pour order 144): 26.009,-12.282 26.009,-12.926 25.465,-13.471 23.971,-13.471 17.5,-7 7.6,-7 6.6,-6 -16,-6 -19.3,-9.3 -28.9,-9.3 -29.8,-10.2 -30.9,-10.2 -31.3,-9.8 -31.3,-9.2 -30.2,-8.1 -19.6,-8.1 -16,-4.5 16.608,-4.5 23.848,-11.74 25.467,-11.74
1V8 on Signal Layer 1 "1V8_L02_P148" (solid, pour order 148): -17.5,-11.8 -16.9,-12.4 -16.9,-13 -17.2,-13.3 -33.6,-13.3 -34.3,-12.6 -34.3,-11.3 -33.2,-10.2 -29.8,-10.2 -28.9,-9.3 -19.3,-9.3 -19.3,-10.9 -18.4,-11.8
GND on Layer 1 "GND_L03_P141" (solid, remove dead copper, pour order 141): -37,-24.054 -30.575,-24.053 ccw(c-30.575,-24.002) -30.525,-24.002 -30.525,-22.502 cw(c-29.2,-22.502) -27.875,-22.502 -27.875,-24.002 ccw(c-27.825,-24.002) -27.807,-24.049 27.805,-24.051 ccw(c27.825,-24.005) 27.875,-24.005 27.875,-22.505 cw(c29.2,-22.505) 30.525,-22.505 30.525,-24.005 ccw(c30.575,-24.005) 30.575,-24.055 36.99,-24.055 ccw(c36.995,-21) 40.05,-21.006 40.05,3 ccw(c40,3) 40.041,3.029 ccw(c36.991,2.999) 37.002,6.049 30.575,6.05 ccw(c30.575,6) 30.525,5.999 30.525,4.499 cw(c29.2,4.499) 27.875,4.499 27.875,5.999 ccw(c27.824,5.999) 27.825,6.05 -26.5,6.05 -27.825,6.05 ccw(c-27.825,6) -27.875,6 -27.875,4.5 cw(c-29.2,4.5) -30.525,4.5 -30.525,6 ccw(c-30.575,6) -30.575,6.05 -36.981,6.05 ccw(c-36.987,2.995) -40.041,3.03 ccw(c-40,3.001) -40.05,3.001 -40.05,-21.003 ccw(c-37,-21.003)
GND on Bottom Layer "GND_L04_P147" (solid, remove dead copper, pour order 147): -37,-24.003 -30.575,-24.002 -30.575,-22.502 cw(c-29.2,-22.502) -27.825,-22.502 -27.825,-23.999 27.825,-24 27.825,-22.505 cw(c29.2,-22.505) 30.575,-22.505 30.575,-24.005 37,-24.005 ccw(c37.001,-21.005) 40,-21.006 40,3 ccw(c36.996,2.995) 36.991,5.999 30.575,6 30.575,4.499 cw(c29.2,4.499) 27.825,4.499 27.825,6 -27.825,6 -27.825,4.5 cw(c-29.2,4.5) -30.575,4.5 -30.575,6 -36.991,6 ccw(c-36.992,3.001) -39.991,3.001 -40,-21.003 ccw(c-37,-21.003)

## Silkscreen, mask and mechanical layers (free items; w line width, h text height)
Top Overlay:
  drawing of 52 lines, arcs and shapes, not listed
  text "RIGHT" at -37.426,4.2 h1.5
  text "LEFT" at 33.888,4.1 h1.5
  text "GND" at 13.876,1.475 h1 r90
  text "GND" at 16.5,-4.4 h1 r90
  text "SoM_BOOT_SEL" at 18.7,-4.4 h1 r90
  text "I2C3_SDA" at 11.389,-4.479 h1 r90
  text "SoM_nRST" at 20.6,-4.5 h1 r90
  text "I2C3_SCL" at 13.35,-4.512 h1 r90
  text "VBUS" at 17.5,-7.7 h1 r90
  text "LUX-D-LITE-DEV" at -25.998,-7.757 h3
  text "VDD_5V" at 15.3,-7.939 h1 r90
  text "SoM_PGOOD" at 19.675,-7.932 h1 r90
  text "o" at -9.88,-9.3 h15
  text "3.3V GPIO" at 16.857,-9.642 h1.5
  text "VDD_5V" at -11.803,-11.517 h1 r90
  text "AUX_IO2" at 10.881,-11.517 h1 r90
  text "GND" at -9.1,-11.6 h1 r90
  text "1V8" at -17.6,-11.7 h1 r90
  text "GND" at -14.9,-11.7 h1 r90
  text "BNO_nBOOT" at -35.8,-12.1 h1 r90
  text "C" at 27.08,-12.368 h8
  text "+Z" at -24.85,-12.698 h1.5
  text "1V5" at -16.2,-13 h1 r90
  text "1V0" at -7.6,-13 h1 r90
  text "2V8" at -13.5,-13.1 h1 r90
  text "3V3" at -10.6,-13.1 h1 r90
  text "OUT1" at 25.2,-14.8 h1 r90
  text "+Y" at -21.397,-15.303 h1.5
  text "+X" at -23.55,-17.248 h1.5
  text "BNO_nRST" at -35.8,-17.7 h1 r90
  text "USB_PWR" at 33,-17.9 h1
  text "BNO_INT" at -25.524,-17.98 h1 r90
  text "USB_FLT" at 31.766,-19.92 h1 r90
  text "AUX_PWR" at 33.175,-20.293 h1
  text "OUT2" at 25.193,-21.009 h1 r90
  text "5V" at 34.623,-23.119 h1.5
  text "W" at 10.554,-23.3 h6
  text "-" at 34.6,-23.8 h2
  text "+" at 35.7,-23.8 h2 r270
  text "e" at 17.078,-25.122 h8
Bottom Overlay:
  drawing of 19 lines, arcs and shapes, not listed
  text "IO2" at 14.375,4.58 h1
  text "FS2" at 11.451,4.015 h1
  text "FS1" at 17.509,4.015 h1
  text ".project_title / .revision" at 20.25,-1.4 h1.5 r90
  text "SoM-RST" at 38.7,-2 h1.4
  text "RST" at 33.7,-3.2 h1.4
  text "PG" at 36.5,-3.2 h1.4
  text "RUN" at 39.8,-3.2 h1.4
  text "1.8V QSPI" at -30.88,-6.484 h1.5
  text "SoM- / BOOT" at 28.889,-9.423 h1.4
  text "5V" at 36.2,-17.6 h1.5
  text "-" at 32,-20.2 h2
  text "+" at 39.8,-20.5 h2
  text "5V" at 22.679,-22.62 h1.5
Top Mask:
  region: 27.833,-23.999 27.833,-22.499 cw(c29.208,-22.499) 29.208,-21.124 cw(c29.208,-22.499) 30.583,-22.499 30.583,-23.999 32.208,-23.999 32.208,-22.496 ccw(c29.211,-22.496) 29.211,-19.499 29.205,-19.499 ccw(c29.205,-22.496) 26.208,-22.496 26.208,-23.999
  region: -27.833,-23.997 -27.833,-22.497 ccw(c-29.208,-22.497) -29.208,-21.122 ccw(c-29.208,-22.497) -30.583,-22.497 -30.583,-23.997 -32.208,-23.997 -32.208,-22.494 cw(c-29.211,-22.494) -29.211,-19.497 -29.205,-19.497 cw(c-29.205,-22.494) -26.208,-22.494 -26.208,-23.997
  region: 27.833,5.993 27.833,4.493 ccw(c29.208,4.493) 29.208,3.118 ccw(c29.208,4.493) 30.583,4.493 30.583,5.993 32.208,5.993 32.208,4.49 cw(c29.211,4.49) 29.211,1.493 29.205,1.493 cw(c29.205,4.49) 26.208,4.49 26.208,5.993
  region: -27.833,5.994 -27.833,4.494 cw(c-29.208,4.494) -29.208,3.119 cw(c-29.208,4.494) -30.583,4.494 -30.583,5.994 -32.208,5.994 -32.208,4.491 ccw(c-29.211,4.491) -29.211,1.494 -29.205,1.494 ccw(c-29.205,4.491) -26.208,4.491 -26.208,5.994
Bottom Solder:
  region: 27.833,-23.999 27.833,-22.499 cw(c29.208,-22.499) 29.208,-21.124 cw(c29.208,-22.499) 30.583,-22.499 30.583,-23.999 32.208,-23.999 32.208,-22.496 ccw(c29.211,-22.496) 29.211,-19.499 29.205,-19.499 ccw(c29.205,-22.496) 26.208,-22.496 26.208,-23.999
  region: -27.833,-23.997 -27.833,-22.497 ccw(c-29.208,-22.497) -29.208,-21.122 ccw(c-29.208,-22.497) -30.583,-22.497 -30.583,-23.997 -32.208,-23.997 -32.208,-22.494 cw(c-29.211,-22.494) -29.211,-19.497 -29.205,-19.497 cw(c-29.205,-22.494) -26.208,-22.494 -26.208,-23.997
  region: 27.833,5.993 27.833,4.493 ccw(c29.208,4.493) 29.208,3.118 ccw(c29.208,4.493) 30.583,4.493 30.583,5.993 32.208,5.993 32.208,4.49 cw(c29.211,4.49) 29.211,1.493 29.205,1.493 cw(c29.205,4.49) 26.208,4.49 26.208,5.993
  region: -27.833,5.994 -27.833,4.494 cw(c-29.208,4.494) -29.208,3.119 cw(c-29.208,4.494) -30.583,4.494 -30.583,5.994 -32.208,5.994 -32.208,4.491 ccw(c-29.211,4.491) -29.211,1.494 -29.205,1.494 ccw(c-29.205,4.491) -26.208,4.491 -26.208,5.994
Board:
  the board outline again, w0.1
Drill Drawing:
  drawing of 262 lines, arcs and shapes, not listed
  text "Layer" at 8.667,35.315 h1
  text "Name" at 12.851,35.315 h1
  text "Material" at 20.938,35.315 h1
  text "Thickness" at 28.205,35.315 h1
  text "Constant" at 34.175,35.315 h1
  text "Board Layer Stack" at 39.701,35.315 h1
  text "Top Overlay" at 12.851,33.315 h1
  text "Top Mask" at 12.851,31.315 h1
  text "Solder Resist" at 20.938,31.315 h1
  text "0,71mil" at 28.205,31.315 h1
  text "4.2" at 34.175,31.315 h1
  text "1" at 8.667,29.315 h1
  text "Top Copper" at 12.851,29.315 h1
  text "1,40mil" at 28.205,29.315 h1
  text "Symbol" at -46.648,28.363 h1.2
  text "Count" at -41.949,28.363 h1.2
  text "Hole Size" at -37.077,28.363 h1.2
  text "Plated" at -27.52,28.363 h1.2
  text "Hole Type" at -23.393,28.363 h1.2
  text "Drill Layer Pair" at -17.389,28.363 h1.2
  text "Dielectric 1" at 12.851,27.315 h1
  text "PP-021" at 20.938,27.315 h1
  text "7,09mil" at 28.205,27.315 h1
  text "4.2" at 34.175,27.315 h1
  text "2" at -41.949,26.293 h1
  text "33,86mil (0,860mm)" at -37.077,26.293 h1
  text "PTH" at -27.52,26.293 h1
  text "Round" at -23.393,26.293 h1
  text "Top Copper - Bottom Layer" at -17.389,26.293 h1
  text "2" at 8.667,25.315 h1
  text "Signal Layer 1" at 12.851,25.315 h1
  text "1,40mil" at 28.205,25.315 h1
  text "2" at -41.949,24.224 h1
  text "82,68mil (2,100mm)" at -37.077,24.224 h1
  text "NPTH" at -27.52,24.224 h1
  text "Round" at -23.393,24.224 h1
  text "Top Copper - Bottom Layer" at -17.389,24.224 h1
  text "Core" at 12.851,23.315 h1
  text "Core-042" at 20.938,23.315 h1
  text "43,31mil" at 28.205,23.315 h1
  text "4.2" at 34.175,23.315 h1
  text "4" at -41.949,22.154 h1
  text "23,62mil (0,600mm)" at -37.077,22.154 h1
  text "PTH" at -27.52,22.154 h1
  text "Slot" at -23.393,22.154 h1
  text "Top Copper - Bottom Layer" at -17.389,22.154 h1
  text "3" at 8.667,21.315 h1
  text "Layer 1" at 12.851,21.315 h1
  text "1,40mil" at 28.205,21.315 h1
  text "4" at -41.949,20.084 h1
  text "118,11mil (3,000mm)" at -37.077,20.084 h1
  text "PTH" at -27.52,20.084 h1
  text "Round" at -23.393,20.084 h1
  text "Top Copper - Bottom Layer" at -17.389,20.084 h1
  text "Dielectric 2" at 12.851,19.315 h1
  text "PP-021" at 20.938,19.315 h1
  text "7,09mil" at 28.205,19.315 h1
  text "4.2" at 34.175,19.315 h1
  text "16" at -41.949,18.014 h1
  text "10,00mil (0,254mm)" at -37.077,18.014 h1
  text "PTH" at -27.52,18.014 h1
  text "Round" at -23.393,18.014 h1
  text "Top Copper - Bottom Layer" at -17.389,18.014 h1
  text "4" at 8.667,17.315 h1
  text "Bottom Layer" at 12.851,17.315 h1
  text "1,40mil" at 28.205,17.315 h1
  text "605" at -41.949,15.944 h1
  text "8,00mil (0,203mm)" at -37.077,15.944 h1
  text "PTH" at -27.52,15.944 h1
  text "Round" at -23.393,15.944 h1
  text "Top Copper - Bottom Layer" at -17.389,15.944 h1
  text "Bottom Solder" at 12.851,15.315 h1
  text "Solder Resist" at 20.938,15.315 h1
  text "0,71mil" at 28.205,15.315 h1
  text "4.2" at 34.175,15.315 h1
  text "633 Total" at -41.949,13.874 h1
  text "Bottom Overlay" at 12.851,13.315 h1
  text "Slot definitions :" at -46.648,12.425 h1
  text "Routed Path Length" at -39.836,12.425 h1
  text "= Calculated from tool start centre position to tool end centre position." at -31.395,12.425 h1
  text "Hole Length" at -39.836,11.597 h1
  text "= Routed Path Length + Tool Size = Slot length as defined in the PCB layout" at -34.529,11.597 h1
  text "Total board thickness:" at 8.667,11.315 h1
  text "64,50mil" at 28.205,11.315 h1

## Text inside footprints (layer, text, board x,y; h text height)
J5: Bottom Overlay "9" at -37.55,-8.33 h1 r270; Bottom Overlay "1" at -37.579,-15.467 h1 r270
J6: Top Overlay "9" at 16.75,-17.07 h1 r270; Top Overlay "1" at 16.721,-9.933 h1 r270
MISC1: Bottom Assembly "BW1099 Module" at 3.166,-3.165 h2
U5: Assembly Notes "Based on 0.125 thick stencil" at 23.64,-7.525 h0.5 r90